# Allegro board TubiiPCB_V6.brd (continued)
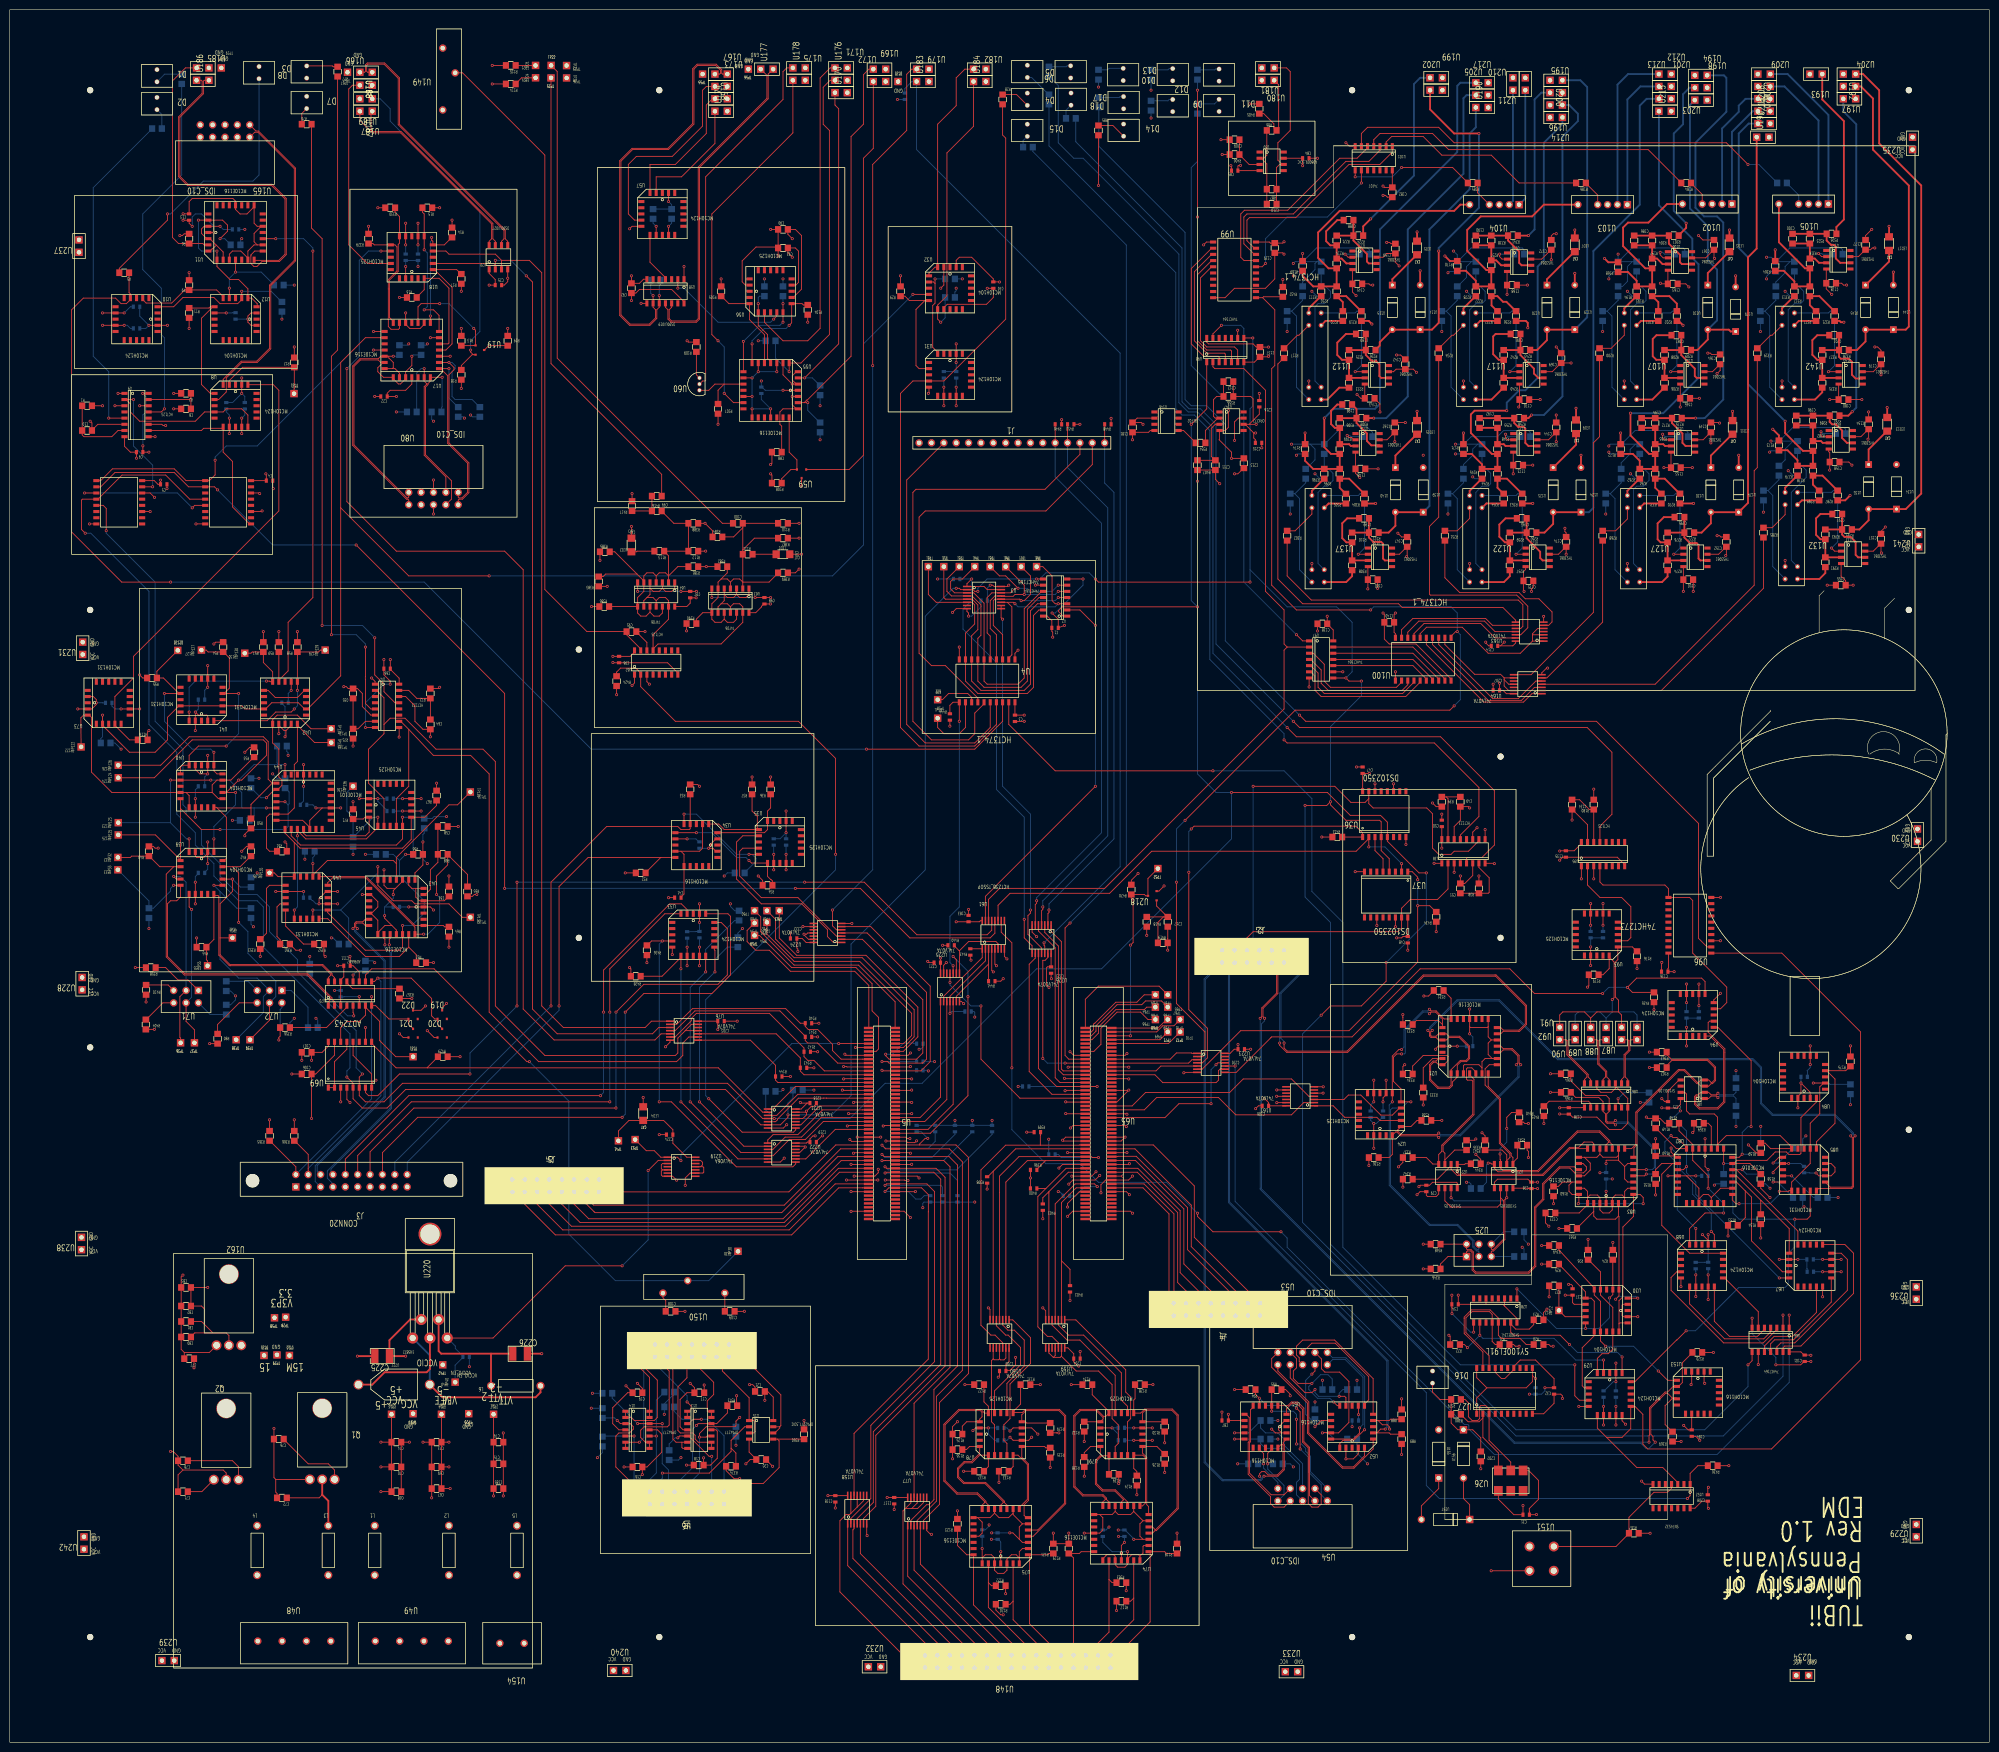
[diagram p0: board, top side]
## Routing (per net, layer and track width the routed paths; a pad name or vN(x,y) marks a point on that pad's centre or on a via; arc(x,y) is an arc through that point) (continued)
  GND_BOT w0.178: v1(67.31,172.09) 67.7,172.48 ; v1(67.31,172.09) 67.7,171.69 ; v1(67.31,172.09) 66.92,171.69 ; v1(67.31,172.09) 66.92,172.48 ; TP26.1 115,342.28 ; TP26.1 113.65,342.28 ; TP26.1 115,340.93 ; TP26.1 113.65,340.93 ; 248.53,325.49 v1(248.92,325.88) ; v1(248.92,325.88) 248.53,326.28 ; v1(248.92,325.88) 249.31,325.49 ; v1(248.92,325.88) 249.31,326.28 ; v1(322.58,264.16) 322.97,263.77 ; v1(322.58,264.16) 322.19,263.77 ; v1(322.58,264.16) 322.97,264.55 ; v1(322.58,264.16) 322.19,264.55 ; 152.64,234.56 v1(153.03,234.95) ; v1(153.03,234.95) 153.43,235.34 ; v1(153.03,234.95) 152.64,235.34 ; v1(153.03,234.95) 153.43,234.56 ; v1(279.65,291.08) 280.05,291.48 ; v1(279.65,291.08) 279.26,290.69 ; v1(279.65,291.08) 279.26,291.48 ; v1(279.65,291.08) 280.05,290.69 ; 269.27,134.14 v1(269.66,134.53) ; v1(269.66,134.53) 269.27,134.93 ; v1(269.66,134.53) 270.06,134.93 ; v1(269.66,134.53) 270.06,134.14 ; U148.22 201.27,14.63 ; U148.22 199.92,14.63 ; U148.22 199.92,15.98 ; U148.22 201.27,15.98 ; v1(286.51,270.88) 286.91,271.27 ; v1(286.51,270.88) 286.91,270.48 ; v1(286.51,270.88) 286.12,271.27 ; v1(286.51,270.88) 286.12,270.48 ; v1(314.91,231.09) 315.3,230.7 ; v1(314.91,231.09) 314.52,230.7 ; v1(314.91,231.09) 314.52,231.48 ; v1(314.91,231.09) 315.3,231.48 ; 67.55,191.38 v1(67.95,191.77) ; v1(67.95,191.77) 68.34,192.16 ; v1(67.95,191.77) 68.34,191.38 ; v1(67.95,191.77) 67.55,192.16 ; 127.24,249.16 v1(127.63,249.56) ; v1(127.63,249.56) 127.24,249.95 ; v1(127.63,249.56) 128.03,249.95 ; v1(127.63,249.56) 128.03,249.16 ; 89.78,177.41 v1(90.17,177.8) ; v1(90.17,177.8) 90.56,177.41 ; v1(90.17,177.8) 90.56,178.19 ; v1(90.17,177.8) 89.78,178.19 ; v1(68.58,216.66) 68.97,217.06 ; v1(68.58,216.66) 68.19,217.06 ; v1(68.58,216.66) 68.97,216.27 ; v1(68.58,216.66) 68.19,216.27 ; v1(375.36,111.81) 375.75,111.41 ; v1(375.36,111.81) 374.97,112.2 ; v1(375.36,111.81) 375.75,112.2 ; v1(375.36,111.81) 374.97,111.41 ; 40.25,185.18 v1(40.64,184.78) ; v1(40.64,184.78) 41.03,185.18 ; v1(40.64,184.78) 41.03,184.39 ; v1(40.64,184.78) 40.25,184.39 ; 353.94,300.6 v1(354.33,300.99) ; v1(354.33,300.99) 354.72,301.38 ; v1(354.33,300.99) 353.94,301.38 ; v1(354.33,300.99) 354.72,300.6 ; v1(268.48,325.12) 268.87,324.73 ; v1(268.48,325.12) 268.87,325.51 ; v1(268.48,325.12) 268.08,324.73 ; v1(268.48,325.12) 268.08,325.51 ; v1(294.64,305.05) 295.03,304.66 ; v1(294.64,305.05) 295.03,305.45 ; v1(294.64,305.05) 294.25,305.45 ; v1(294.64,305.05) 294.25,304.66 ; U48.3 61.58,20.09 ; U48.3 61.58,21.44 ; U48.3 60.24,21.44 ; U48.3 60.24,20.09 ; 171.82,128.64 v1(172.21,129.03) ; v1(172.21,129.03) 172.61,129.43 ; v1(172.21,129.03) 171.82,129.43 ; v1(172.21,129.03) 172.61,128.64 ; v1(170.94,133.86) 171.34,133.46 ; v1(170.94,133.86) 171.34,134.25 ; v1(170.94,133.86) 170.55,133.46 ; v1(170.94,133.86) 170.55,134.25 ; 313.8,275.2 v1(314.2,275.59) ; v1(314.2,275.59) 314.59,275.98 ; v1(314.2,275.59) 313.8,275.98 ; v1(314.2,275.59) 314.59,275.2 ; v1(311.58,299.08) 311.97,298.69 ; v1(311.58,299.08) 311.19,299.48 ; v1(311.58,299.08) 311.97,299.48 ; v1(311.58,299.08) 311.19,298.69 ; v1(153.67,281.31) 154.06,280.91 ; v1(153.67,281.31) 154.06,281.7 ; v1(153.67,281.31) 153.28,280.91 ; v1(153.67,281.31) 153.28,281.7 ; v1(279.83,299.08) 280.22,299.48 ; v1(279.83,299.08) 279.44,298.69 ; v1(279.83,299.08) 279.44,299.48 ; v1(279.83,299.08) 280.22,298.69 ; v1(267.97,260.35) 268.36,259.96 ; v1(267.97,260.35) 267.58,260.74 ; v1(267.97,260.35) 267.58,259.96 ; v1(267.97,260.35) 268.36,260.74 ; v1(173.23,120.9) 173.62,121.3 ; v1(173.23,120.9) 172.83,121.3 ; v1(173.23,120.9) 172.83,120.51 ; v1(173.23,120.9) 173.62,120.51 ; 158.99,190.74 v1(159.38,191.13) ; v1(159.38,191.13) 159.78,191.53 ; v1(159.38,191.13) 159.78,190.74 ; v1(159.38,191.13) 158.99,191.53 ; 200.52,88.76 v1(200.91,89.15) ; v1(200.91,89.15) 201.31,89.55 ; v1(200.91,89.15) 200.52,89.55 ; v1(200.91,89.15) 201.31,88.76 ; U148.26 196.19,15.98 ; U148.26 196.19,14.63 ; U148.26 194.84,15.98 ; U148.26 194.84,14.63 ; 225.92,64.12 v1(226.31,64.52) ; v1(226.31,64.52) 226.71,64.12 ; v1(226.31,64.52) 226.71,64.91 ; v1(226.31,64.52) 225.92,64.91 ; 269.24,132.84 v1(269.63,133.23) ; v1(269.63,133.23) 269.24,133.63 ; v1(269.63,133.23) 270.02,133.63 ; v1(269.63,133.23) 270.02,132.84 ; J5.16 121.64,116.18 ; J5.16 121.64,114.83 ; J5.16 120.29,116.18 ; J5.16 120.29,114.83 ; 90.03,284.87 v1(90.42,284.48) ; v1(90.42,284.48) 90.82,284.87 ; v1(90.42,284.48) 90.82,284.09 ; v1(90.42,284.48) 90.03,284.09 ; 228.84,126.76 v1(229.24,126.37) ; v1(229.24,126.37) 229.63,125.97 ; v1(229.24,126.37) 229.63,126.76 ; v1(229.24,126.37) 228.84,125.97 ; 263.77,263.77 v1(264.16,264.16) ; v1(264.16,264.16) 263.77,264.55 ; v1(264.16,264.16) 264.55,263.77 ; v1(264.16,264.16) 264.55,264.55 ; 283.71,196.33 v1(284.1,196.72) ; v1(284.1,196.72) 284.49,197.12 ; v1(284.1,196.72) 283.71,197.12 ; v1(284.1,196.72) 284.49,196.33 ; U172.2 180.51,344.08 ; U172.2 179.16,342.73 ; U172.2 179.16,344.08 ; U172.2 180.51,342.73 ; 346.57,61.58 v1(346.96,61.98) ; v1(346.96,61.98) 346.57,62.37 ; v1(346.96,61.98) 347.36,62.37 ; v1(346.96,61.98) 347.36,61.58 ; v1(82.55,152.65) 82.94,153.05 ; v1(82.55,152.65) 82.16,153.05 ; v1(82.55,152.65) 82.16,152.26 ; v1(82.55,152.65) 82.94,152.26 ; TP56.1 152.31,344.08 ; TP56.1 150.96,344.08 ; TP56.1 150.96,342.73 ; TP56.1 152.31,342.73 ; U192.2 377.1,343.07 ; U192.2 377.1,341.72 ; U192.2 375.75,343.07 ; U192.2 375.75,341.72 ; 362.19,77.86 v1(362.58,77.47) ; v1(362.58,77.47) 362.98,77.86 ; v1(362.58,77.47) 362.98,77.08 ; v1(362.58,77.47) 362.19,77.08 ; 138.24,88.05 v1(138.63,88.45) ; v1(138.63,88.45) 139.02,88.05 ; v1(138.63,88.45) 139.02,88.84 ; v1(138.63,88.45) 138.24,88.84 ; v1(297.81,177.8) 298.21,178.19 ; v1(297.81,177.8) 297.42,177.41 ; v1(297.81,177.8) 298.21,177.41 ; v1(297.81,177.8) 297.42,178.19 ; v1(302.01,56.13) 302.4,55.74 ; v1(302.01,56.13) 301.61,55.74 ; v1(302.01,56.13) 302.4,56.53 ; v1(302.01,56.13) 301.61,56.53 ; v1(73.03,208.28) 73.42,208.67 ; v1(73.03,208.28) 73.42,207.89 ; v1(73.03,208.28) 72.63,208.67 ; v1(73.03,208.28) 72.63,207.89 ; 75.17,194.07 v1(75.56,193.68) ; v1(75.56,193.68) 75.96,194.07 ; v1(75.56,193.68) 75.17,193.28 ; v1(75.56,193.68) 75.96,193.28 ; 216.4,131.05 v1(216.79,131.44) ; v1(216.79,131.44) 217.18,131.05 ; v1(216.79,131.44) 216.4,131.84 ; v1(216.79,131.44) 217.18,131.84 ; v1(185.17,118.62) 185.56,118.22 ; v1(185.17,118.62) 184.77,118.22 ; v1(185.17,118.62) 185.56,119.01 ; v1(185.17,118.62) 184.77,119.01 ; 14.57,42.84 U242.2 ; U242.2 15.91,42.84 ; U242.2 15.91,41.49 ; U242.2 14.57,41.49 ; 89.27,190.39 v1(89.66,189.99) ; v1(89.66,189.99) 89.27,189.6 ; v1(89.66,189.99) 90.06,190.39 ; v1(89.66,189.99) 90.06,189.6 ; 294.88,301.23 v1(295.27,301.62) ; v1(295.27,301.62) 295.67,302.02 ; v1(295.27,301.62) 294.88,302.02 ; v1(295.27,301.62) 295.67,301.23 ; 17.39,212.97 v1(17.78,213.36) ; v1(17.78,213.36) 18.17,213.75 ; v1(17.78,213.36) 18.17,212.97 ; v1(17.78,213.36) 17.39,213.75 ; 302.86,337.4 U205.2 ; U205.2 304.2,338.75 ; U205.2 302.86,338.75 ; U205.2 304.2,337.4 ; v1(345.44,261.62) 345.83,261.23 ; v1(345.44,261.62) 345.05,262.01 ; v1(345.44,261.62) 345.83,262.01 ; v1(345.44,261.62) 345.05,261.23 ; U148.8 219.05,14.63 ; U148.8 217.7,15.98 ; U148.8 217.7,14.63 ; U148.8 219.05,15.98 ; v1(302.89,187.33) 303.29,186.93 ; v1(302.89,187.33) 303.29,187.72 ; v1(302.89,187.33) 302.5,186.93 ; v1(302.89,187.33) 302.5,187.72 ; 134.86,173.75 v1(135.25,173.36) ; v1(135.25,173.36) 135.65,172.96 ; v1(135.25,173.36) 134.86,172.96 ; v1(135.25,173.36) 135.65,173.75 ; 155.82,273.29 v1(156.21,273.69) ; v1(156.21,273.69) 156.6,274.08 ; v1(156.21,273.69) 155.82,274.08 ; v1(156.21,273.69) 156.6,273.29 ; 217.28,141.34 v1(217.68,141.73) ; v1(217.68,141.73) 218.07,142.13 ; v1(217.68,141.73) 217.28,142.13 ; v1(217.68,141.73) 218.07,141.34 ; v1(345.63,236.22) 346.02,235.83 ; v1(345.63,236.22) 346.02,236.61 ; v1(345.63,236.22) 345.24,235.83 ; v1(345.63,236.22) 345.24,236.61 ; 73.9,218.05 v1(74.3,218.44) ; v1(74.3,218.44) 73.9,218.83 ; v1(74.3,218.44) 74.69,218.05 ; v1(74.3,218.44) 74.69,218.83 ; 319.65,94.37 v1(320.04,93.98) ; v1(320.04,93.98) 320.43,93.59 ; v1(320.04,93.98) 319.65,93.59 ; v1(320.04,93.98) 320.43,94.37 ; 115.21,116.18 J5.12 ; J5.12 116.56,116.18 ; J5.12 115.21,114.83 ; J5.12 116.56,114.83 ; 185.53,113.42 v1(185.93,113.03) ; v1(185.93,113.03) 186.32,112.64 ; v1(185.93,113.03) 186.32,113.42 ; v1(185.93,113.03) 185.53,112.64 ; 362.06,305.93 v1(362.46,306.32) ; v1(362.46,306.32) 362.85,306.72 ; v1(362.46,306.32) 362.85,305.93 ; v1(362.46,306.32) 362.06,306.72 ; v1(16.51,271.14) 16.9,270.75 ; v1(16.51,271.14) 16.9,271.54 ; v1(16.51,271.14) 16.12,271.54 ; v1(16.51,271.14) 16.12,270.75 ; 64.38,160.9 v1(64.77,161.29) ; v1(64.77,161.29) 65.16,161.68 ; v1(64.77,161.29) 65.16,160.9 ; v1(64.77,161.29) 64.38,161.68 ; 58.03,127.37 v1(58.42,127.76) ; v1(58.42,127.76) 58.81,128.16 ; v1(58.42,127.76) 58.81,127.37 ; v1(58.42,127.76) 58.03,128.16 ; v1(54.24,64.4) 54.64,64.8 ; v1(54.24,64.4) 54.64,64.01 ; v1(54.24,64.4) 53.85,64.01 ; v1(54.24,64.4) 53.85,64.8 ; U165.5 44.87,331.3 ; U165.5 44.87,332.65 ; U165.5 43.52,331.3 ; U165.5 43.52,332.65 ; v1(327.74,118.79) 328.13,119.19 ; v1(327.74,118.79) 328.13,118.4 ; v1(327.74,118.79) 327.34,119.19 ; v1(327.74,118.79) 327.34,118.4 ; 311.6,71.05 v1(311.99,71.45) ; v1(311.99,71.45) 311.6,71.84 ; v1(311.99,71.45) 312.39,71.84 ; v1(311.99,71.45) 312.39,71.05 ; v1(149.22,71.12) 149.62,71.51 ; v1(149.22,71.12) 148.83,70.73 ; v1(149.22,71.12) 149.62,70.73 ; v1(149.22,71.12) 148.83,71.51 ; 13.58,211.7 v1(13.97,212.09) ; v1(13.97,212.09) 14.36,211.7 ; v1(13.97,212.09) 14.36,212.48 ; v1(13.97,212.09) 13.58,212.48 ; v1(241.05,137.41) 241.44,137.81 ; v1(241.05,137.41) 241.44,137.02 ; v1(241.05,137.41) 240.65,137.81 ; v1(241.05,137.41) 240.65,137.02 ; v1(217.3,138.56) 217.69,138.95 ; v1(217.3,138.56) 217.69,138.16 ; v1(217.3,138.56) 216.9,138.16 ; 178.93,126.89 v1(179.32,126.49) ; v1(179.32,126.49) 178.93,126.1 ; v1(179.32,126.49) 179.72,126.89 ; v1(179.32,126.49) 179.72,126.1 ; 229.35,133.46 v1(229.74,133.86) ; v1(229.74,133.86) 229.35,134.25 ; v1(229.74,133.86) 230.14,134.25 ; v1(229.74,133.86) 230.14,133.46 ; 33.11,16.09 U239.2 ; U239.2 34.46,16.09 ; U239.2 34.46,17.44 ; U239.2 33.11,17.44 ; 71.21,336.64 U189.2 ; U189.2 72.56,337.99 ; U189.2 71.21,337.99 ; U189.2 72.56,336.64 ; v1(230.76,41.66) 231.15,41.26 ; v1(230.76,41.66) 230.37,41.26 ; v1(230.76,41.66) 231.15,42.05 ; v1(230.76,41.66) 230.37,42.05 ; 128.51,236.61 v1(128.91,236.22) ; v1(128.91,236.22) 129.3,235.83 ; v1(128.91,236.22) 129.3,236.61 ; v1(128.91,236.22) 128.51,235.83 ; 194.55,225.18 v1(194.94,224.79) ; v1(194.94,224.79) 194.55,224.4 ; v1(194.94,224.79) 195.34,225.18 ; v1(194.94,224.79) 195.34,224.4 ; U6.11 134.63,52.1 ; U6.11 133.28,52.1 ; U6.11 133.28,50.75 ; U6.11 134.63,50.75 ; v1(200.91,64.52) 201.31,64.91 ; v1(200.91,64.52) 200.52,64.91 ; v1(200.91,64.52) 201.31,64.12 ; v1(200.91,64.52) 200.52,64.12 ; 276.11,199.78 v1(276.5,200.18) ; v1(276.5,200.18) 276.9,200.57 ; v1(276.5,200.18) 276.9,199.78 ; v1(276.5,200.18) 276.11,200.57 ; v1(295.27,252.1) 295.67,252.49 ; v1(295.27,252.1) 294.88,251.7 ; v1(295.27,252.1) 295.67,251.7 ; v1(295.27,252.1) 294.88,252.49 ; 347.81,336.38 U198.2 ; U198.2 349.16,336.38 ; U198.2 349.16,337.73 ; U198.2 347.81,337.73 ; v1(319.28,249.17) 319.67,248.78 ; v1(319.28,249.17) 318.88,249.57 ; v1(319.28,249.17) 319.67,249.57 ; v1(319.28,249.17) 318.88,248.78 ; 344.79,73.8 v1(345.19,73.41) ; v1(345.19,73.41) 345.58,73.01 ; v1(345.19,73.41) 345.58,73.8 ; v1(345.19,73.41) 344.79,73.01 ; 212.62,15.98 U148.12 ; U148.12 213.97,14.63 ; U148.12 213.97,15.98 ; U148.12 212.62,14.63 ; 247.79,335.21 D11.2 ; D11.2 248.78,334.22 ; D11.2 247.79,334.22 ; D11.2 248.78,335.21 ; 318.1,337.91 U195.2 ; U195.2 318.1,339.26 ; U195.2 319.44,339.26 ; U195.2 319.44,337.91 ; 284.34,284.34 v1(284.73,284.73) ; v1(284.73,284.73) 284.34,285.13 ; v1(284.73,284.73) 285.13,285.13 ; v1(284.73,284.73) 285.13,284.34 ; 58.06,114.66 J3.1 ; J3.1 58.06,113.31 ; J3.1 59.41,114.66 ; J3.1 59.41,113.31 ; v1(344.73,298.7) 345.12,298.31 ; v1(344.73,298.7) 344.33,299.1 ; v1(344.73,298.7) 344.33,298.31 ; v1(344.73,298.7) 345.12,299.1 ; v1(137.8,58.42) 138.19,58.81 ; v1(137.8,58.42) 137.4,58.03 ; v1(137.8,58.42) 138.19,58.03 ; v1(137.8,58.42) 137.4,58.81 ; D4.1 209.41,337.99 ; D4.1 208.42,338.98 ; D4.1 208.42,337.99 ; D4.1 209.41,338.98 ; 379.84,275.2 v1(380.24,275.59) ; v1(380.24,275.59) 380.63,275.2 ; v1(380.24,275.59) 380.63,275.98 ; v1(380.24,275.59) 379.84,275.98 ; 50.69,344.44 D3.1 ; D3.1 51.68,344.44 ; D3.1 51.68,343.45 ; D3.1 50.69,343.45 ; v1(166.88,124.46) 167.27,124.07 ; v1(166.88,124.46) 167.27,124.85 ; v1(166.88,124.46) 166.48,124.07 ; v1(166.88,124.46) 166.48,124.85 ; 101.84,300.88 v1(102.23,300.48) ; v1(102.23,300.48) 102.63,300.88 ; v1(102.23,300.48) 102.63,300.09 ; v1(102.23,300.48) 101.84,300.09 ; 389.98,328.76 U235.2 ; U235.2 391.33,330.11 ; U235.2 389.98,330.11 ; U235.2 391.33,328.76 ; 162.93,122.57 v1(163.32,122.17) ; v1(163.32,122.17) 162.93,121.78 ; v1(163.32,122.17) 163.72,121.78 ; v1(163.32,122.17) 163.72,122.57 ; 216.78,110.25 v1(217.17,109.86) ; v1(217.17,109.86) 216.78,109.46 ; v1(217.17,109.86) 217.56,109.46 ; v1(217.17,109.86) 217.56,110.25 ; 68.22,114.66 J3.9 ; J3.9 69.57,113.31 ; J3.9 68.22,113.31 ; J3.9 69.57,114.66 ; v1(28.57,290.83) 28.97,291.22 ; v1(28.57,290.83) 28.18,291.22 ; v1(28.57,290.83) 28.18,290.44 ; v1(28.57,290.83) 28.97,290.44 ; 127.24,300.6 v1(127.63,300.99) ; v1(127.63,300.99) 128.03,300.6 ; v1(127.63,300.99) 128.03,301.38 ; v1(127.63,300.99) 127.24,301.38 ; 202.55,75.32 v1(202.95,74.93) ; v1(202.95,74.93) 202.55,74.54 ; v1(202.95,74.93) 203.34,74.54 ; v1(202.95,74.93) 203.34,75.32 ; 245.9,88.24 J4.10 ; J4.10 245.9,86.89 ; J4.10 247.24,88.24 ; J4.10 247.24,86.89 ; v1(225.68,44.17) 226.07,43.77 ; v1(225.68,44.17) 225.29,44.56 ; v1(225.68,44.17) 226.07,44.56 ; v1(225.68,44.17) 225.29,43.77 ; v1(315.72,220.47) 316.12,220.87 ; v1(315.72,220.47) 315.33,220.08 ; v1(315.72,220.47) 316.12,220.08 ; v1(315.72,220.47) 315.33,220.87 ; J5.10 114.02,114.83 ; J5.10 112.67,114.83 ; J5.10 112.67,116.18 ; J5.10 114.02,116.18 ; U214.2 316.9,334.18 ; U214.2 316.9,332.83 ; U214.2 315.56,332.83 ; U214.2 315.56,334.18 ; 265.04,305.96 v1(265.43,305.56) ; v1(265.43,305.56) 265.82,305.96 ; v1(265.43,305.56) 265.04,305.17 ; v1(265.43,305.56) 265.82,305.17 ; v1(245.11,307.34) 245.5,306.95 ; v1(245.11,307.34) 245.5,307.73 ; v1(245.11,307.34) 244.72,306.95 ; v1(245.11,307.34) 244.72,307.73 ; v1(326.47,116.89) 326.86,116.49 ; v1(326.47,116.89) 326.86,117.28 ; v1(326.47,116.89) 326.07,117.28 ; v1(326.47,116.89) 326.07,116.49 ; v1(297.39,91.77) 297.78,92.16 ; v1(297.39,91.77) 296.99,92.16 ; v1(297.39,91.77) 297.78,91.37 ; v1(297.39,91.77) 296.99,91.37 ; U193.2 370.24,343.07 ; U193.2 370.24,341.72 ; U193.2 368.9,341.72 ; U193.2 368.9,343.07 ; 68.67,342.1 TP57.1 ; TP57.1 68.67,343.45 ; TP57.1 70.02,342.1 ; TP57.1 70.02,343.45 ; 163.18,129.15 v1(163.58,129.54) ; v1(163.58,129.54) 163.18,129.93 ; v1(163.58,129.54) 163.97,129.93 ; v1(163.58,129.54) 163.97,129.15 ; J3.11 72.11,113.31 ; J3.11 70.76,113.31 ; J3.11 72.11,114.66 ; J3.11 70.76,114.66 ; v1(367.74,135.3) 368.13,134.91 ; v1(367.74,135.3) 368.13,135.7 ; v1(367.74,135.3) 367.35,134.91 ; v1(367.74,135.3) 367.35,135.7 ; v1(320.75,189.28) 321.14,189.67 ; v1(320.75,189.28) 320.36,188.88 ; v1(320.75,189.28) 320.36,189.67 ; v1(320.75,189.28) 321.14,188.88 ; 302.86,336.21 U190.2 ; U190.2 302.86,334.86 ; U190.2 304.2,336.21 ; U190.2 304.2,334.86 ; 196.46,230.75 v1(196.85,231.14) ; v1(196.85,231.14) 196.46,231.53 ; v1(196.85,231.14) 197.24,231.53 ; v1(196.85,231.14) 197.24,230.75 ; 298.06,268.34 v1(298.45,268.73) ; v1(298.45,268.73) 298.84,268.34 ; v1(298.45,268.73) 298.84,269.13 ; v1(298.45,268.73) 298.06,269.13 ; Q2.2 45.2,54.66 ; Q2.2 45.2,53.14 ; Q2.2 43.68,53.14 ; Q2.2 43.68,54.66 ; U134.2 388.02,262.93 ; U134.2 388.02,261.58 ; U134.2 386.68,261.58 ; U134.2 386.68,262.93 ; v1(284.48,219.71) 284.87,219.32 ; v1(284.48,219.71) 284.09,220.1 ; v1(284.48,219.71) 284.09,219.32 ; v1(284.48,219.71) 284.87,220.1 ; U148.6 221.59,15.98 ; U148.6 221.59,14.63 ; U148.6 220.24,14.63 ; U148.6 220.24,15.98 ; J3.15 77.19,114.66 ; J3.15 75.84,113.31 ; J3.15 75.84,114.66 ; J3.15 77.19,113.31 ; 208.42,332.6 D15.1 ; D15.1 208.42,331.61 ; D15.1 209.41,331.61 ; D15.1 209.41,332.6 ; 240.82,86.89 J4.14 ; J4.14 242.16,86.89 ; J4.14 240.82,88.24 ; J4.14 242.16,88.24 ; v1(156.21,262.25) 156.6,262.65 ; v1(156.21,262.25) 156.6,261.86 ; v1(156.21,262.25) 155.82,262.65 ; v1(156.21,262.25) 155.82,261.86 ; v1(299.72,191.77) 300.11,191.38 ; v1(299.72,191.77) 299.33,191.38 ; v1(299.72,191.77) 300.11,192.16 ; v1(299.72,191.77) 299.33,192.16 ; v1(311.66,290.32) 312.05,290.72 ; v1(311.66,290.32) 311.26,289.93 ; v1(311.66,290.32) 312.05,289.93 ; v1(311.66,290.32) 311.26,290.72 ; v1(84.84,61.59) 85.23,61.99 ; v1(84.84,61.59) 85.23,61.2 ; v1(84.84,61.59) 84.44,61.99 ; v1(84.84,61.59) 84.44,61.2 ; 354.57,263.77 v1(354.96,264.16) ; v1(354.96,264.16) 354.57,264.55 ; v1(354.96,264.16) 355.36,263.77 ; v1(354.96,264.16) 355.36,264.55 ; 60.46,342.06 D8.1 ; D8.1 60.46,341.07 ; D8.1 61.46,342.06 ; D8.1 61.46,341.07 ; 130.04,228.36 v1(130.43,227.97) ; v1(130.43,227.97) 130.82,227.57 ; v1(130.43,227.97) 130.82,228.36 ; v1(130.43,227.97) 130.04,227.57 ; 162.65,341.8 U175.2 ; U175.2 162.65,340.45 ; U175.2 164,341.8 ; U175.2 164,340.45 ; 144.45,78.44 U16.11 ; U16.11 144.45,79.78 ; U16.11 145.8,79.78 ; U16.11 145.8,78.44 ; v1(33.66,273.69) 34.05,274.08 ; v1(33.66,273.69) 33.26,273.29 ; v1(33.66,273.69) 33.26,274.08 ; v1(33.66,273.69) 34.05,273.29 ; 129.21,294.94 v1(129.6,295.34) ; v1(129.6,295.34) 129.21,295.73 ; v1(129.6,295.34) 130,295.73 ; v1(129.6,295.34) 130,294.94 ; 193.92,282.82 v1(194.31,283.21) ; v1(194.31,283.21) 193.92,283.6 ; v1(194.31,283.21) 194.7,282.82 ; v1(194.31,283.21) 194.7,283.6 ; 93.56,66.76 TP20.1 ; TP20.1 94.91,66.76 ; TP20.1 94.91,68.11 ; TP20.1 93.56,68.11 ; 186.02,266.03 J1.1 ; J1.1 186.02,267.37 ; J1.1 187.36,267.37 ; J1.1 187.36,266.03 ; v1(162.84,167.41) 163.23,167.02 ; v1(162.84,167.41) 162.45,167.81 ; v1(162.84,167.41) 162.45,167.02 ; v1(162.84,167.41) 163.23,167.81 ; v1(54.1,257.3) 54.5,257.7 ; v1(54.1,257.3) 53.71,256.91 ; v1(54.1,257.3) 53.71,257.7 ; v1(54.1,257.3) 54.5,256.91 ; 72.63,147.08 v1(73.03,146.69) ; v1(73.03,146.69) 73.42,146.29 ; v1(73.03,146.69) 72.63,146.29 ; v1(73.03,146.69) 73.42,147.08 ; 250.3,323.2 v1(250.7,323.6) ; v1(250.7,323.6) 250.3,323.99 ; v1(250.7,323.6) 251.09,323.99 ; v1(250.7,323.6) 251.09,323.2 ; 327.01,304.94 v1(327.41,304.55) ; v1(327.41,304.55) 327.8,304.94 ; v1(327.41,304.55) 327.8,304.15 ; v1(327.41,304.55) 327.01,304.15 ; v1(368.76,124.46) 369.15,124.85 ; v1(368.76,124.46) 368.36,124.07 ; v1(368.76,124.46) 368.36,124.85 ; v1(368.76,124.46) 369.15,124.07 ; 228.97,129.3 v1(229.36,128.91) ; v1(229.36,128.91) 228.97,128.51 ; v1(229.36,128.91) 229.76,128.51 ; v1(229.36,128.91) 229.76,129.3 ; 31.89,256.93 v1(32.28,257.33) ; v1(32.28,257.33) 32.68,256.93 ; v1(32.28,257.33) 32.68,257.72 ; v1(32.28,257.33) 31.89,257.72 ; v1(163.07,165.86) 163.46,165.47 ; v1(163.07,165.86) 162.67,166.26 ; v1(163.07,165.86) 162.67,165.47 ; v1(163.07,165.86) 163.46,166.26 ; v1(229.87,118.75) 230.26,118.35 ; v1(229.87,118.75) 230.26,119.14 ; v1(229.87,118.75) 229.48,119.14 ; v1(229.87,118.75) 229.48,118.35 ; 289.8,264.55 v1(290.19,264.16) ; v1(290.19,264.16) 290.59,264.55 ; v1(290.19,264.16) 289.8,263.77 ; v1(290.19,264.16) 290.59,263.77 ; 251.07,259.96 v1(251.46,260.35) ; v1(251.46,260.35) 251.85,260.74 ; v1(251.46,260.35) 251.85,259.96 ; v1(251.46,260.35) 251.07,260.74 ; 326.63,289.17 v1(327.02,289.56) ; v1(327.02,289.56) 326.63,289.95 ; v1(327.02,289.56) 327.42,289.17 ; v1(327.02,289.56) 327.42,289.95 ; 207.54,14.63 U148.16 ; U148.16 208.89,15.98 ; U148.16 207.54,15.98 ; U148.16 208.89,14.63 ; 293.46,342.3 U202.2 ; U202.2 293.46,340.96 ; U202.2 294.81,342.3 ; U202.2 294.81,340.96 ; 289.17,301.63 v1(289.56,302.02) ; v1(289.56,302.02) 289.95,301.63 ; v1(289.56,302.02) 289.95,302.41 ; v1(289.56,302.02) 289.17,302.41 ; 291.6,75.7 D16.1 ; D16.1 292.6,75.7 